# KiCad board Marble_Tiny.kicad_pcb (continued)
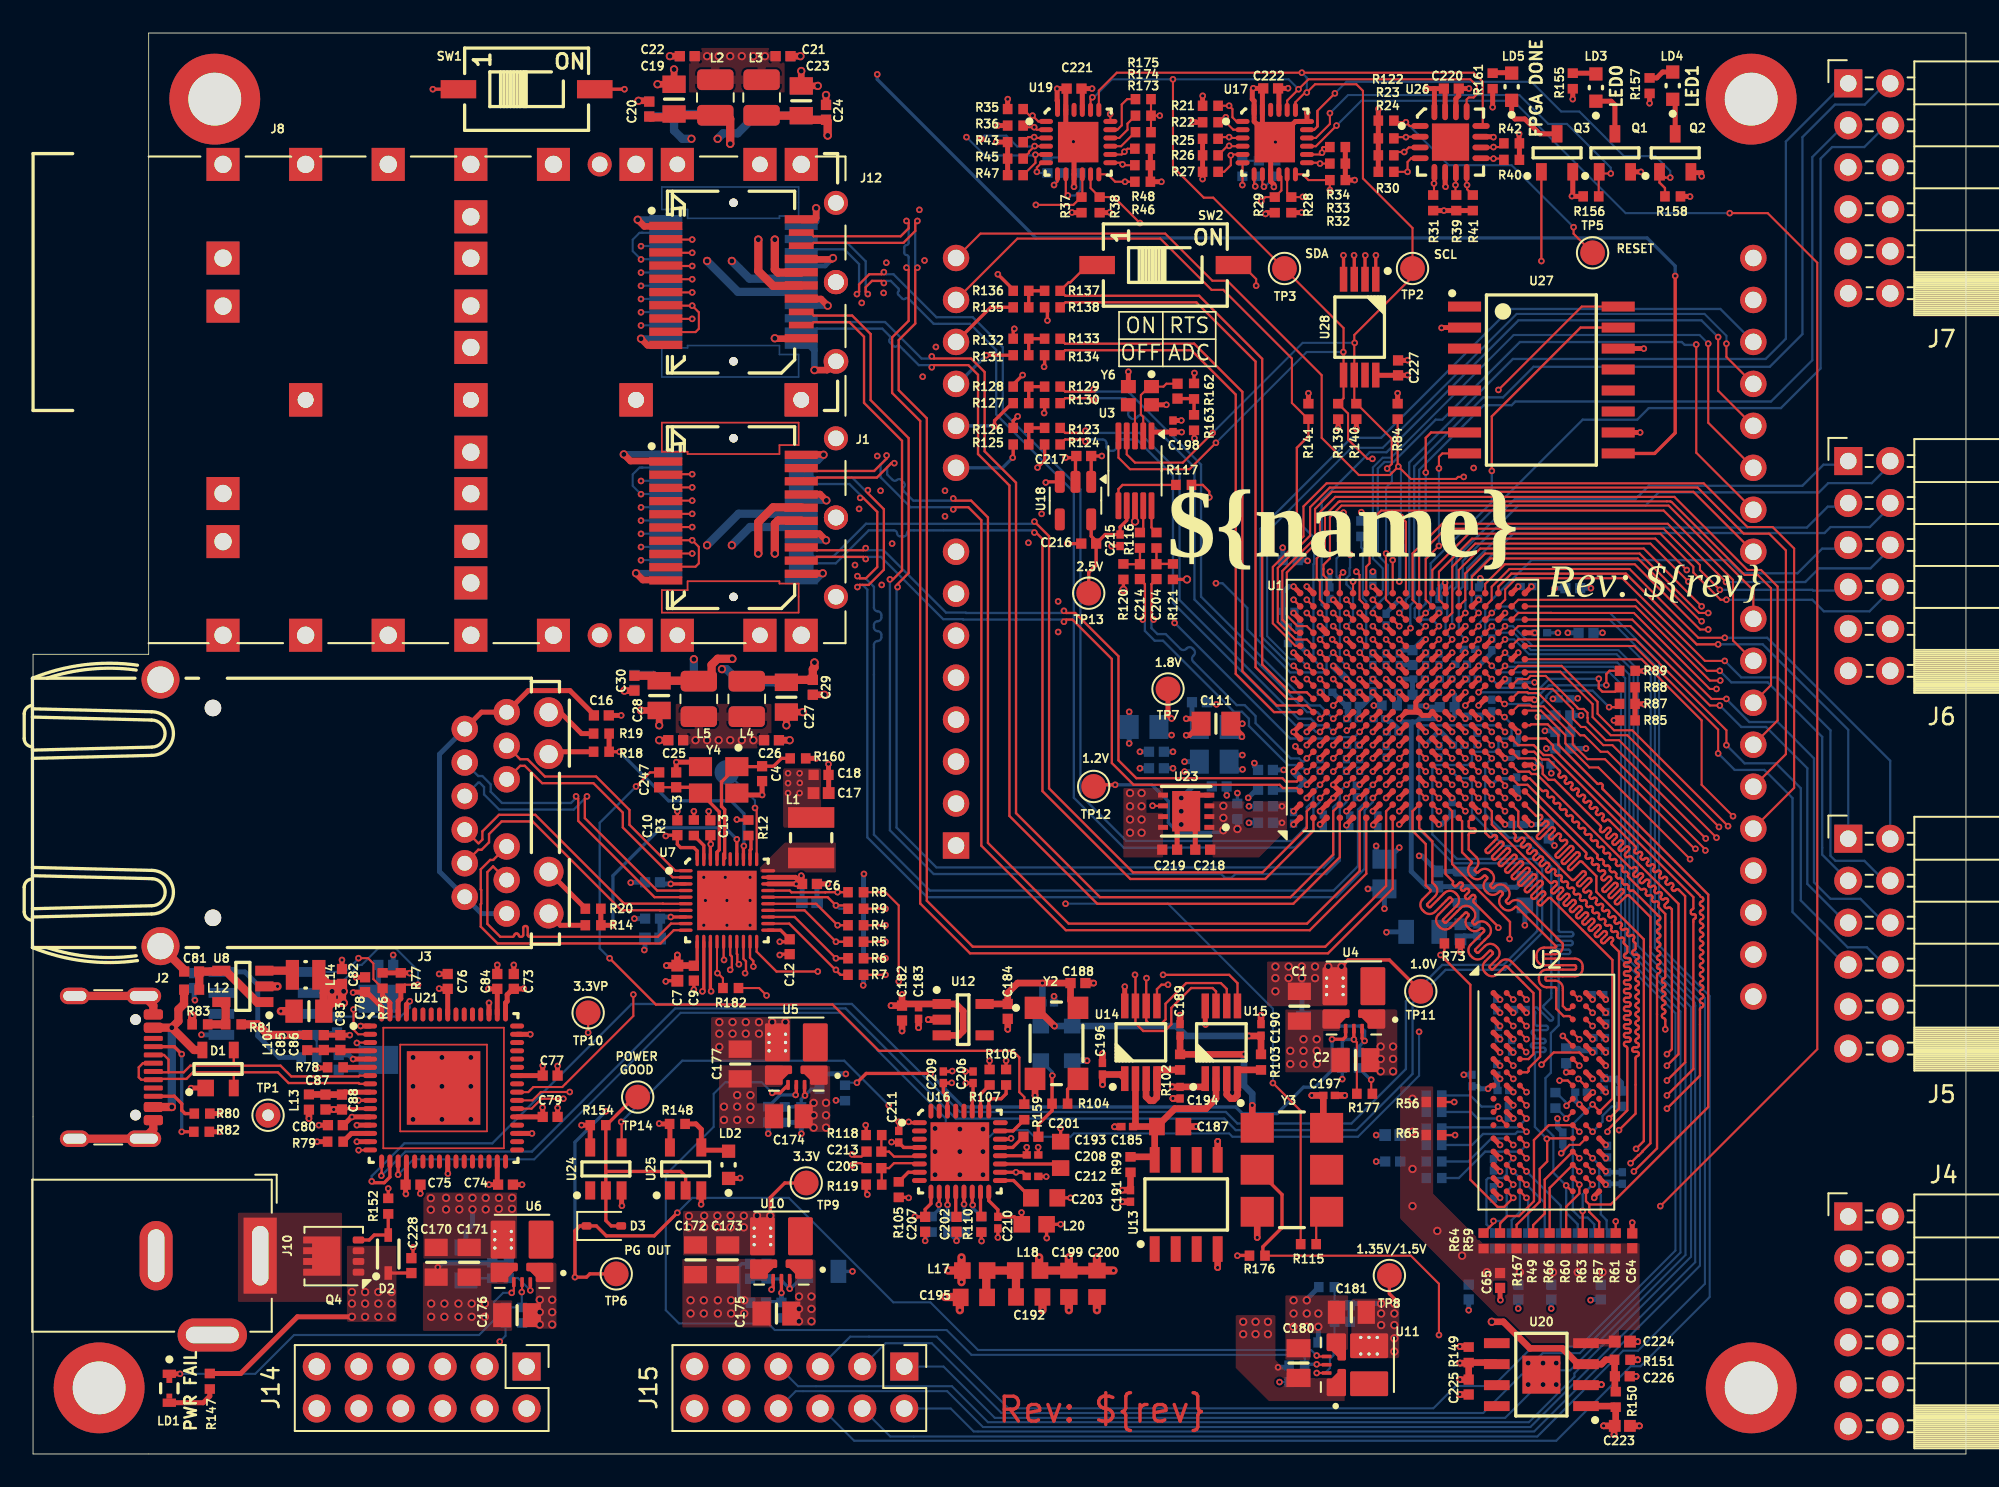
[diagram p0: board, top side]
## Routing (per net, layer and track width the routed paths; a pad name or vN(x,y) marks a point on that pad's centre or on a via; arc(x,y) is an arc through that point) (continued)
DDR3_D11: length 21.1
  Top w0.14: U2.C2 v1(89.6,25.9) ; U1.M4 v1(85.9,40.5)
  In5.Cu w0.13: v1(85.9,40.5) 86.3,40.1 86.3,37.92 arc(86.27,37.85) 86.2,37.82 85.91,37.82 arc(85.84,37.79) 85.81,37.72 85.81,37.66 arc(85.84,37.59) 85.91,37.56 86.69,37.56 arc(86.77,37.53) 86.8,37.46 86.8,37.41 arc(86.77,37.34) 86.69,37.31 85.91,37.31 arc(85.84,37.28) 85.81,37.2 85.81,37.15 arc(85.84,37.08) 85.91,37.05 86.69,37.05 arc(86.77,37.02) 86.8,36.95 86.8,36.89 arc(86.77,36.82) 86.69,36.79 86.4,36.79 arc(86.33,36.76) 86.3,36.69 86.3,34.3 88.1,32.5 88.1,26.84 88.65,26.29 89.21,26.29 v1(89.6,25.9)
DDR3_D12: length 21.1
  Top w0.14: U1.N6 v1(86.7,42.1) ; v1(93.59,27.55) 93.57,27.54 93.56,27.54 U2.A7
  In5.Cu w0.13: v1(93.59,27.55) 93.57,27.54 93.56,27.54 93.11,27.99 arc(93.08,28.07) 93.11,28.14 93.43,28.46 arc(93.46,28.53) 93.43,28.6 93.39,28.64 arc(93.32,28.67) 93.24,28.64 92.46,27.86 arc(92.39,27.83) 92.32,27.86 92.28,27.89 arc(92.25,27.96) 92.28,28.04 92.6,28.36 arc(92.63,28.43) 92.6,28.5 91.5,29.6 91.5,31.7 87.9,35.3 87.9,40.66 87.66,40.9 87.34,40.9 87.1,41.14 87.1,41.7 v1(86.7,42.1)
DDR3_D13: length 21.1
  Top w0.14: U2.A2 v1(89.6,27.5) ; v1(89.37,31.17) 89.4,31.2 89.4,32.2 85.9,35.7 85.9,38.9 U1.M2
  In5.Cu w0.14: v1(89.37,31.17) 89.6,30.95 89.6,30.07 arc(89.63,29.99) 89.71,29.96 89.98,29.96 arc(90.06,29.93) 90.09,29.85 90.09,29.8 arc(90.06,29.73) 89.98,29.69 89.12,29.69 arc(89.04,29.66) 89.01,29.59 89.01,29.53 arc(89.04,29.46) 89.12,29.43 90.03,29.43 arc(90.11,29.4) 90.14,29.32 90.14,29.27 arc(90.11,29.19) 90.03,29.16 89.12,29.16 arc(89.04,29.13) 89.01,29.05 89.01,29 arc(89.04,28.92) 89.12,28.89 90.03,28.89 arc(90.11,28.86) 90.14,28.79 90.14,28.73 arc(90.11,28.66) 90.03,28.63 89.12,28.63 arc(89.04,28.6) 89.01,28.52 89.01,28.47 arc(89.04,28.39) 89.12,28.36 90.03,28.36 arc(90.11,28.33) 90.14,28.25 90.14,28.2 arc(90.11,28.12) 90.03,28.09 89.71,28.09 arc(89.63,28.06) 89.6,27.99 v1(89.6,27.5)
DDR3_D14: length 22.5
  Top w0.14: U2.B8 v1(94.4,26.7) ; U1.P4 v1(87.5,40.5)
  In2.Cu w0.13: v1(94.4,26.7) 93.99,27.11 93.99,27.65 93.98,27.66 93.98,27.72 93.75,27.95 93.7,27.95 87.1,34.55 87.1,35.74 arc(87.13,35.82) 87.2,35.85 87.52,35.85 arc(87.6,35.88) 87.63,35.95 87.63,36 arc(87.6,36.07) 87.52,36.1 87.2,36.1 arc(87.13,36.13) 87.1,36.21 87.1,36.26 arc(87.13,36.33) 87.2,36.36 87.52,36.36 arc(87.6,36.39) 87.63,36.46 87.63,36.52 arc(87.6,36.59) 87.52,36.62 87.2,36.62 arc(87.13,36.65) 87.1,36.72 87.1,36.77 arc(87.13,36.85) 87.2,36.88 87.52,36.88 arc(87.6,36.91) 87.63,36.98 87.63,37.03 arc(87.6,37.1) 87.52,37.13 87.2,37.13 arc(87.13,37.16) 87.1,37.24 87.1,37.29 arc(87.13,37.36) 87.2,37.39 87.52,37.39 arc(87.6,37.42) 87.63,37.49 87.63,37.54 arc(87.6,37.62) 87.52,37.65 87.2,37.65 arc(87.13,37.68) 87.1,37.75 87.1,37.8 arc(87.13,37.87) 87.2,37.9 87.52,37.9 arc(87.6,37.93) 87.63,38.01 87.63,38.06 arc(87.6,38.13) 87.52,38.16 87.2,38.16 arc(87.13,38.19) 87.1,38.26 87.1,40.1 v1(87.5,40.5)
DDR3_D15: length 21.1
  Top w0.14: U1.N4 v1(86.7,40.5) ; U2.A3 v1(90.4,27.5)
  In5.Cu w0.13: v1(86.7,40.5) 87.1,40.1 87.1,34.9 89.91,32.09 89.91,31.74 90.4,31.25 90.4,29.48 arc(90.43,29.4) 90.5,29.37 91.29,29.37 arc(91.37,29.34) 91.4,29.27 91.4,29.22 arc(91.37,29.15) 91.29,29.12 90.5,29.12 arc(90.43,29.09) 90.4,29.01 90.4,28.96 arc(90.43,28.89) 90.5,28.86 91.29,28.86 arc(91.37,28.83) 91.4,28.76 91.4,28.71 arc(91.37,28.63) 91.29,28.6 90.5,28.6 arc(90.43,28.57) 90.4,28.5 90.4,28.45 arc(90.43,28.38) 90.5,28.35 91.29,28.35 arc(91.37,28.32) 91.4,28.24 91.4,28.19 arc(91.37,28.12) 91.29,28.09 90.5,28.09 arc(90.43,28.06) 90.4,27.99 v1(90.4,27.5)
DDR3_DM0: length 27.1
  Top w0.14: U1.L5 v1(85.1,41.3) ; v1(92.6,25.3) U2.E7
  In5.Cu w0.13: v1(85.1,41.3) 84.7,40.9 84.7,34.1 85.09,33.71 arc(85.16,33.68) 85.23,33.71 85.41,33.89 arc(85.49,33.92) 85.56,33.89 85.6,33.85 arc(85.63,33.78) 85.6,33.71 85.27,33.38 arc(85.24,33.31) 85.27,33.24 85.3,33.2 arc(85.38,33.17) 85.45,33.2 85.78,33.53 arc(85.85,33.56) 85.92,33.53 85.96,33.49 arc(85.99,33.42) 85.96,33.35 85.63,33.02 arc(85.6,32.95) 85.63,32.87 85.67,32.84 arc(85.74,32.81) 85.81,32.84 86.14,33.16 arc(86.21,33.19) 86.29,33.16 86.32,33.13 arc(86.35,33.05) 86.32,32.98 86.14,32.8 arc(86.11,32.73) 86.14,32.66 87.1,31.7 87.1,26.24 88.64,24.7 90.2,24.7 90.22,24.71 90.54,24.71 90.56,24.7 91.9,24.7 92.5,25.3 v1(92.6,25.3)
DDR3_DM1: length 21.1
  Top w0.14: U1.M6 v1(85.9,42.1) ; v1(90.4,25.11) 90.39,25.11 U2.D3
  In5.Cu w0.13: v1(85.9,42.1) 85.5,41.7 85.5,34.5 87.6,32.4 87.6,26.54 88.64,25.5 U2.D3 90.39,25.11 v1(90.4,25.11)
DDR3_DQS0_N: length 29.7
  Top w0.14: U1.K1 83.9,37.88 84.7,37.08 84.7,34.58 84.86,34.42 arc(85,34.09) 84.86,33.76 84.4,33.29 arc(84.38,33.24) 84.4,33.19 84.49,33.1 arc(84.54,33.08) 84.58,33.1 85.43,33.95 arc(85.77,34.09) 86.1,33.95 86.19,33.86 arc(86.32,33.53) 86.19,33.19 85.35,32.35 arc(85.32,32.3) 85.35,32.25 85.43,32.16 arc(85.48,32.14) 85.53,32.16 86.41,33.04 arc(86.74,33.18) 87.08,33.04 87.17,32.95 arc(87.3,32.62) 87.17,32.29 87.13,32.25 arc(87.11,32.2) 87.13,32.15 87.22,32.06 arc(87.27,32.04) 87.32,32.06 87.36,32.1 arc(87.69,32.24) 88.02,32.1 88.11,32.01 arc(88.25,31.68) 88.11,31.34 87.3,30.54 arc(87.28,30.49) 87.3,30.44 87.39,30.35 arc(87.44,30.33) 87.49,30.35 87.88,30.74 arc(88.21,30.88) 88.55,30.74 88.64,30.65 arc(88.77,30.32) 88.64,29.98 88.17,29.52 arc(88.15,29.47) 88.17,29.42 88.26,29.33 arc(88.31,29.31) 88.36,29.33 88.82,29.79 arc(89.16,29.93) 89.49,29.79 91.22,28.06 91.22,24.04 90.53,23.35 90.53,23.18 90.45,23.1 U2.G3
DDR3_DQS0_P: length 29.7
  Top w0.14: U1.K2 83.5,38.9 83.5,37.72 84.3,36.92 84.3,34.42 84.58,34.14 arc(84.6,34.09) 84.58,34.04 84.11,33.57 arc(83.98,33.24) 84.11,32.91 84.2,32.82 arc(84.54,32.68) 84.87,32.82 85.72,33.67 arc(85.77,33.69) 85.81,33.67 85.9,33.58 arc(85.92,33.53) 85.9,33.48 85.06,32.64 arc(84.92,32.3) 85.06,31.97 85.15,31.88 arc(85.48,31.74) 85.82,31.88 86.69,32.76 arc(86.74,32.78) 86.79,32.76 86.88,32.67 arc(86.9,32.62) 86.88,32.57 86.85,32.53 arc(86.71,32.2) 86.85,31.87 86.94,31.78 arc(87.27,31.64) 87.6,31.78 87.64,31.82 arc(87.69,31.84) 87.74,31.82 87.83,31.73 arc(87.85,31.68) 87.83,31.63 87.02,30.82 arc(86.88,30.49) 87.02,30.15 87.11,30.07 arc(87.44,29.93) 87.77,30.07 88.16,30.45 arc(88.21,30.48) 88.26,30.45 88.35,30.36 arc(88.37,30.32) 88.35,30.27 87.89,29.81 arc(87.75,29.47) 87.89,29.14 87.98,29.05 arc(88.31,28.91) 88.65,29.05 89.11,29.51 arc(89.16,29.53) 89.21,29.51 90.82,27.9 90.82,24.2 90.52,23.9 U2.F3
DDR3_DQS1_N: length 23.7
  Top w0.14: U1.P1 86.9,38.3 86.9,37.97 arc(86.93,37.9) 87.01,37.86 87.22,37.86 arc(87.29,37.83) 87.32,37.76 87.32,37.7 arc(87.29,37.63) 87.22,37.6 87.01,37.6 arc(86.93,37.57) 86.9,37.49 86.9,36.58 87.35,36.13 arc(87.49,35.8) 87.35,35.46 87.28,35.39 arc(87.26,35.34) 87.28,35.29 87.37,35.2 arc(87.42,35.18) 87.47,35.2 87.54,35.28 arc(87.87,35.41) 88.21,35.28 88.3,35.19 arc(88.43,34.85) 88.3,34.52 88.22,34.45 arc(88.2,34.4) 88.22,34.35 88.31,34.26 arc(88.36,34.24) 88.41,34.26 88.49,34.33 arc(88.82,34.47) 89.15,34.33 89.24,34.24 arc(89.38,33.91) 89.24,33.58 89.16,33.5 arc(89.14,33.45) 89.16,33.4 89.25,33.31 arc(89.3,33.29) 89.35,33.31 89.43,33.39 arc(89.76,33.53) 90.09,33.39 92.6,30.88 92.6,30.72 arc(92.46,30.38) 92.13,30.25 91.47,30.25 arc(91.42,30.23) 91.4,30.18 91.4,30.05 arc(91.42,30) 91.47,29.98 93.33,29.98 arc(93.66,29.84) 93.8,29.51 93.8,29.38 arc(93.66,29.05) 93.33,28.91 91.62,28.91 arc(91.57,28.89) 91.55,28.84 91.55,28.72 arc(91.57,28.67) 91.62,28.65 92.13,28.65 arc(92.46,28.51) 92.6,28.18 92.6,27.11 92.81,26.9 93,26.9 U2.B7
DDR3_DQS1_P: length 23.7
  Top w0.14: U2.C7 93,26.5 92.65,26.5 92.2,26.95 92.2,28.18 arc(92.18,28.23) 92.13,28.25 91.62,28.25 arc(91.29,28.38) 91.15,28.72 91.15,28.84 arc(91.29,29.18) 91.62,29.31 93.33,29.31 arc(93.38,29.33) 93.4,29.38 93.4,29.51 arc(93.38,29.56) 93.33,29.58 91.47,29.58 arc(91.14,29.72) 91,30.05 91,30.18 arc(91.14,30.51) 91.47,30.65 92.13,30.65 arc(92.18,30.67) 92.2,30.72 89.81,33.11 arc(89.76,33.13) 89.71,33.11 89.64,33.03 arc(89.3,32.89) 88.97,33.03 88.88,33.12 arc(88.74,33.45) 88.88,33.78 88.96,33.86 arc(88.98,33.91) 88.96,33.96 88.87,34.05 arc(88.82,34.07) 88.77,34.05 88.69,33.97 arc(88.36,33.84) 88.03,33.97 87.94,34.06 arc(87.8,34.4) 87.94,34.73 88.01,34.8 arc(88.03,34.85) 88.01,34.9 87.92,34.99 arc(87.87,35.01) 87.82,34.99 87.75,34.92 arc(87.42,34.78) 87.08,34.92 86.99,35.01 arc(86.86,35.34) 86.99,35.67 87.07,35.75 arc(87.09,35.8) 87.07,35.85 86.5,36.42 86.5,38.3 U1.N1
DDR3_ODT: length 42.8
  Top w0.14: U1.P3 v1(87.5,39.7) ; U2.K1 88.67,20.97 v1(88.67,21.02)
  In2.Cu w0.13: v1(87.5,39.7) 88,39.2 88,34.86 91.14,31.72 arc(91.21,31.69) 91.28,31.72 91.35,31.79 arc(91.42,31.82) 91.49,31.79 91.53,31.75 arc(91.56,31.68) 91.53,31.61 91.04,31.12 arc(91.01,31.05) 91.04,30.98 91.08,30.94 arc(91.15,30.91) 91.22,30.94 91.71,31.43 arc(91.78,31.46) 91.86,31.43 91.89,31.39 arc(91.92,31.32) 91.89,31.24 91.41,30.76 arc(91.38,30.68) 91.41,30.61 91.44,30.58 arc(91.51,30.55) 91.59,30.58 92.07,31.06 arc(92.15,31.09) 92.22,31.06 92.26,31.03 arc(92.29,30.95) 92.26,30.88 91.77,30.39 arc(91.74,30.32) 91.77,30.25 91.81,30.21 arc(91.88,30.18) 91.95,30.21 92.44,30.7 arc(92.51,30.73) 92.58,30.7 92.62,30.66 arc(92.65,30.59) 92.62,30.52 92.13,30.03 arc(92.1,29.96) 92.13,29.88 92.17,29.85 arc(92.24,29.82) 92.31,29.85 92.8,30.33 arc(92.87,30.36) 92.95,30.33 92.98,30.3 arc(93.01,30.23) 92.98,30.15 92.5,29.67 arc(92.47,29.59) 92.5,29.52 92.53,29.49 arc(92.61,29.46) 92.68,29.49 93.16,29.97 arc(93.24,30) 93.31,29.97 93.35,29.94 arc(93.38,29.86) 93.35,29.79 92.86,29.3 arc(92.83,29.23) 92.86,29.16 92.9,29.12 arc(92.97,29.09) 93.04,29.12 93.53,29.61 arc(93.6,29.64) 93.67,29.61 93.71,29.57 arc(93.74,29.5) 93.71,29.43 93.22,28.94 arc(93.19,28.87) 93.22,28.79 93.26,28.76 arc(93.33,28.73) 93.4,28.76 93.89,29.24 arc(93.96,29.27) 94.04,29.24 94.07,29.21 arc(94.1,29.14) 94.07,29.06 94.01,29 arc(93.98,28.93) 94.01,28.85 94.8,28.06 94.8,23.8 94,23 94,22.54 93.67,22.2 91.6,22.2 90.9,21.5 89.15,21.5 v1(88.67,21.02)
  Bottom w0.14: R71.1 87,21.7 87.68,21.02 v1(88.67,21.02)
DDR3_RAS: length 45.7
  Top w0.14: R56.1 v1(86.03,21.3) ; U2.J3 v1(90.4,21.1) ; U1.R3 v1(88.3,39.7)
  In2.Cu w0.13: v1(90.4,21.1) 91.2,21.1 91.88,21.78 93.76,21.78 94.27,22.29 95.35,22.29 95.6,22.54 95.6,28.1 91.42,32.28 arc(91.39,32.35) 91.42,32.43 91.93,32.93 arc(91.96,33) 91.93,33.08 91.89,33.11 arc(91.82,33.14) 91.74,33.11 91.08,32.45 arc(91.01,32.42) 90.94,32.45 90.9,32.49 arc(90.87,32.56) 90.9,32.63 91.56,33.29 arc(91.59,33.37) 91.56,33.44 91.53,33.48 arc(91.45,33.51) 91.38,33.48 90.72,32.82 arc(90.65,32.79) 90.57,32.82 90.54,32.85 arc(90.51,32.92) 90.54,33 91.2,33.66 arc(91.23,33.73) 91.2,33.8 91.16,33.84 arc(91.09,33.87) 91.02,33.84 90.36,33.18 arc(90.28,33.15) 90.21,33.18 90.17,33.21 arc(90.14,33.29) 90.17,33.36 90.83,34.02 arc(90.86,34.09) 90.83,34.17 90.8,34.2 arc(90.73,34.23) 90.65,34.2 89.99,33.54 arc(89.92,33.51) 89.85,33.54 89.81,33.58 arc(89.78,33.65) 89.81,33.72 90.47,34.38 arc(90.5,34.46) 90.47,34.53 90.43,34.57 arc(90.36,34.6) 90.29,34.57 89.63,33.91 arc(89.56,33.88) 89.48,33.91 89.45,33.94 arc(89.42,34.01) 89.45,34.09 90.11,34.75 arc(90.14,34.82) 90.11,34.89 90.07,34.93 arc(90,34.96) 89.93,34.93 89.42,34.42 arc(89.35,34.39) 89.28,34.42 88.6,35.1 88.6,39.4 v1(88.3,39.7)
  In2.Cu w0.14: v1(90.4,21.1) 90,20.7 89.44,20.7 89.2,20.46 89.2,20.14 88.94,19.87 87.45,19.87 v1(86.03,21.3)
DDR3_RST: length 32.7
  Top w0.14: U1.J6 v1(82.7,42.1) ; R73.2 85.43,30.43 v1(85.2,30.2) 87,28.4 87,16.6 88.65,14.95 89.05,14.95 v1(89.6,15.5) U2.T2
  In2.Cu w0.13: v1(85.2,30.2) 83.79,31.61 83.79,35.75 83.51,36.04 83.51,36.36 83.52,36.37 83.52,41.28 v1(82.7,42.1)
DDR3_WE: length 44
  Top w0.14: v1(89.1,40.44) 89.1,40.5 U1.T4 ; U2.L3 v1(90.4,19.5)
  In5.Cu w0.13: v1(90.4,19.5) 90.9,19.5 92.43,21.03 92.43,21.24 92.66,21.47 92.87,21.47 93.94,22.54 93.94,22.8 94.8,23.66 94.8,24.45 94.8,24.46 94.8,24.46 95.04,24.7 95.36,24.7 96.2,25.54 96.2,31.1 95.65,31.65 arc(95.57,31.68) 95.5,31.65 95.44,31.6 arc(95.37,31.57) 95.3,31.6 95.26,31.63 arc(95.23,31.71) 95.26,31.78 95.63,32.15 arc(95.66,32.22) 95.63,32.29 95.59,32.33 arc(95.52,32.36) 95.45,32.33 95.08,31.96 arc(95.01,31.93) 94.93,31.96 94.9,32 arc(94.87,32.07) 94.9,32.14 95.26,32.51 arc(95.29,32.58) 95.26,32.65 95.23,32.69 arc(95.16,32.72) 95.08,32.69 94.72,32.32 arc(94.64,32.29) 94.57,32.32 94.53,32.36 arc(94.5,32.43) 94.53,32.51 94.9,32.87 arc(94.93,32.94) 94.9,33.02 94.86,33.05 arc(94.79,33.08) 94.72,33.05 94.35,32.69 arc(94.28,32.66) 94.21,32.69 94.17,32.72 arc(94.14,32.8) 94.17,32.87 94.54,33.24 arc(94.57,33.31) 94.54,33.38 94.5,33.42 arc(94.43,33.45) 94.36,33.42 93.99,33.05 arc(93.92,33.02) 93.84,33.05 93.81,33.09 arc(93.78,33.16) 93.81,33.23 94.17,33.6 arc(94.2,33.67) 94.17,33.74 94.14,33.78 arc(94.07,33.81) 93.99,33.78 93.63,33.41 arc(93.55,33.38) 93.48,33.41 93.44,33.45 arc(93.41,33.52) 93.44,33.6 93.81,33.96 arc(93.84,34.04) 93.81,34.11 93.77,34.14 arc(93.7,34.17) 93.63,34.14 93.26,33.78 arc(93.19,33.75) 93.12,33.78 93.08,33.81 arc(93.05,33.89) 93.08,33.96 93.45,34.33 arc(93.48,34.4) 93.45,34.47 93.41,34.51 arc(93.34,34.54) 93.27,34.51 92.9,34.14 arc(92.83,34.11) 92.75,34.14 92.72,34.18 arc(92.69,34.25) 92.72,34.32 93.08,34.69 arc(93.11,34.76) 93.08,34.83 93.05,34.87 arc(92.97,34.9) 92.9,34.87 92.74,34.71 arc(92.67,34.68) 92.59,34.71 91.1,36.2 91.1,39.06 89.66,40.5 89.16,40.5 v1(89.1,40.44)
  Bottom w0.14: v1(90.4,19.5) 89.85,19.5 89.72,19.37 87.77,19.37 87.1,18.7 R70.1
DDRVCC: length 28.1
  Top w0.2: v2(82.4,9.1) 82.4,9.4 82.1,9.7 TP8.1
  Top w0.3: U2.R9 v1(95.2,16.3) ; U2.C1 v1(88.8,25.9) ; U1.R4 v1(88.3,40.5) ; U2.D9 v1(95.2,25.1) ; U2.H2 v1(89.6,21.9) ; U2.F1 v1(88.8,23.5) ; U2.C9 v1(95.2,25.9) ; U1.L6 v1(85.1,42.1) ; U2.N1 v1(88.8,17.9) ; U2.K2 v1(89.6,20.3) ; U1.P7 v1(87.5,42.9) ; U2.A8 v1(94.4,27.5) ; U2.B2 v1(89.6,26.7) ; U2.H9 v1(95.2,21.9) ; U2.N9 v1(95.2,17.9) ; U2.D2 v1(89.6,25.1) ; U1.V5 90.72,41.7 v1(90.87,41.55) ; U2.E9 v1(95.2,24.3) ; U1.T1 v1(89.1,38.1) ; U2.G7 v1(92.8,23.1) ; 94.01,20.74 93.59,21.15 ; U2.A1 v1(88.8,27.5) ; U1.M3 v1(85.9,39.7) ; U2.R1 v1(88.8,16.3)
  Top w0.4: U20.1 95.73,2.89 R150.2 95.8,1.76 C223.2 ; 95.5,1.7 95.07,1.7 v1(95.07,1.7) ; v1(95.7,1.17) 95.7,1.17 95.7,1.6
  Bottom w0.2: C149.2 89.72,40.87 88.67,40.87 v1(88.3,40.5)
  Bottom w0.3: v1(89.1,38.1) C144.2 ; v1(92.8,23.1) C61.2 ; v1(92.09,36.83) 91.75,37.17 C141.2 ; v1(93.6,21.15) 93.59,21.15 93.35,21.4 C243.2 ; R100.2 R101.2 79.82,9.1 v2(81.6,9.1) ; C142.2 v1(94,42.7) ; 95.2,16.35 96.1,16.35
  vias: v2(81.6,8.5) v2(81.6,7.8) v2(82.4,8.5) v2(82.4,7.8) v2(82.4,7) v2(82.4,6.2)
DDRVREF: length 14.5
  Top w0.127: U2.M8 93.61,18.71 93.01,18.71 v1(92.5,18.2)
  Top w0.3: U2.H1 88.27,22.3 v1(88.07,22.1)
  Top w0.4: R150.1 95.75,3.82 C226.2 95.73,4.72 R151.2 95.2,5.7 94.94,5.43 93.53,5.43 92.57,6.39 90.61,6.39 89,8 v2(88.3,8)
  Bottom w0.3: v1(88.07,22.1) 87.6,22.1 87.45,22.25 C250.2 ; C249.2 92.6,18.3 v1(92.5,18.2)
DDRVTT: length 1.8
  Top w0.3: C224.2 94.09,6.8 U20.4
  vias: v2(83.5,21.5) v2(83.5,19.5) v2(83.5,17.25) v2(83.5,15) v2(85,13.5) v2(86.5,12) v2(88,11) v2(90,11) v2(92,11) v2(93.5,11) v2(95,11)
I2C_SCL: length 87.8
  Top w0.127: TP2.1 83.5,74.2 80.5,77.2 80.5,82.5 80.1,82.9 77.6,82.9 v1(77.1,82.4) 77,82.4 76.41,81.81 U17.19 ; U26.12 87.75,80.47 87.75,83.05 87.2,83.6 v1(76.8,83.6) 65.6,83.6 64.51,82.51 U19.19 ; v1(81.96,59.64) 82.25,59.92 82.25,61.44 80.12,63.57 R140.1 79.97,63.69 U28.6 79.97,67.72 83.7,71.45 83.7,71.7 ; U1.H17 81.89,51.71 81.89,54.49 v1(81.9,54.5) ; U3.4 66.2,60.5 66.7,60 69.6,60 v1(71.4,61.8)
  Bottom w0.127: v1(76.8,83.6) 77.1,83.3 v1(77.1,82.4) ; v1(71.4,61.8) 76.85,67.25 v1(80,67.25) ; v1(81.9,54.5) 81.9,58.5 82.25,58.85 82.25,59.35 81.96,59.64 v1(81.96,59.64)
I2C_SCL_Ardu: length 89.6
  Top w0.127: v1(82.64,59.76) 82.13,59.25 80.25,59.25 78,61.5 78,65.29 72.29,71.01 71.39,71.01 68.53,73.86 57.35,73.86 A1.14 ; v1(82.64,59.76) 82.6,59.81 R84.2 ; v1(82.64,59.76) 83.4,59.01 86.13,59.01 86.26,59.14 v1(86.6,59.14) ; v1(82.8,56.71) 83.1,56.41 U1.J18
  In5.Cu w0.127: v1(86.6,59.14) 86.6,55 89.22,52.37 89.22,51.8 89.9,51.12 89.9,49.95 92.5,47.35 92.5,39.31 A1.32
  Bottom w0.127: v1(82.8,56.71) 82.8,56.71 82.8,59.61 v1(82.64,59.76)
I2C_SDA: length 89.1
  Top w0.127: U26.13 86.78,81.97 86.9,82.1 87.2,82.1 87.4,82.3 87.4,82.8 87,83.2 77.2,83.2 75.91,81.91 U17.20 ; U3.5 65.7,60.3 66.4,59.6 70,59.6 v1(71.6,61.2) ; U19.20 64.01,82 v1(64.12,82.11) ; v1(69,83.2) 69,77.9 70.86,76.04 71.44,76.04 79.33,68.15 U28.5 79.33,63.89 R139.1 79.6,62.97 79.6,61.4 80.77,60.23 v1(81.07,60.23)
  Top w0.14: U1.F14 v1(80.3,49.3)
  In2.Cu w0.14: v1(80.3,49.3) 80.7,49.7 80.7,51.9 80.9,52.1 81.26,52.1 82.8,53.64 82.8,54.6 81.3,56.1 81.3,60 v1(81.07,60.23)
  Bottom w0.127: v1(64.12,82.11) 64.21,82.11 65.3,83.2 76,83.2 v1(76.6,82.6) ; v1(71.6,61.2) 77.1,66.7 v1(79.31,66.7)
I2C_SDA_Ardu: length 94.7
  Top w0.127: A1.13 59.58,73.56 68.24,73.56 71.34,70.46 72.04,70.46 76.2,66.3 76.2,63.61 77.18,62.63 R141.1 77.2,61.6
  Top w0.14: v1(76.5,56.5) 76.5,60.9 77.2,61.6 ; U1.C12 v1(77.9,47.7)
  In2.Cu w0.127: v1(76.5,56.5) 80.62,60.62 85,60.62 85.95,59.67 v1(87.2,59.67)
  In5.Cu w0.127: v1(87.2,59.67) 87.2,55.82 90.33,52.7 90.31,52.68 90.31,51.12 91.55,49.87 91.57,49.87 93.03,48.42 93.03,41.33 A1.31
  Bottom w0.14: v1(77.9,47.7) 77.5,48.1 77.5,53.85 77.55,53.89 77.55,55.45 v1(76.5,56.5)
JTAG_TCK: length 78.6
  Top w0.14: U1.F8 v1(80.3,43.7) ; U21.16 20.38,18.38 v1(19.71,18.38)
  In2.Cu w0.14: v1(69.1,50.3) 57.17,38.37 54.37,38.37 43.5,27.5 39.7,27.5 32.75,20.55 30.25,20.55 29.8,21 22.2,21 20.4,19.2 20.4,19.08 v1(19.71,18.38)
  Bottom w0.14: v1(80.3,43.7) 79.99,43.39 78.95,43.39 78.86,43.3 76.1,43.3 v1(69.1,50.3)
JTAG_TDI: length 109
  Top w0.14: v1(89.07,44.6) 89,44.6 U1.T9 ; v1(21.08,16.84) 21.08,17.01 21.1,17.03 U21.17
  Bottom w0.14: v1(89.07,44.6) 89.5,44.17 89.5,43.54 89.26,43.3 88.94,43.3 88.7,43.06 88.7,42.74 88.46,42.5 87.34,42.5 87.1,42.26 87.1,41.94 86.86,41.7 84.94,41.7 84.7,41.46 84.7,37.5 86.18,36.02 90.76,36.02 91.35,35.43 91.35,31.55 89.1,29.3 85.5,29.3 83.5,27.3 83.5,23 80.1,19.6 72.8,19.6 72.1,20.3 55.85,20.3 49.18,26.97 38.87,26.97 30.2,18.3 22.54,18.3 v1(21.08,16.84)
JTAG_TDO: length 111.8
  Top w0.14: U1.T8 v1(89.1,43.7)
  Top w0.2: U21.18 21.6,16.76 21.26,16.42 20.58,16.42 v1(20.5,16.5)
  Bottom w0.14: 87.85,44.1 87.7,44.1 ; v1(20.5,16.5) 20.5,16.82 22.48,18.8 27.8,18.8 36.23,27.23 49.57,27.23 56.1,20.7 72.2,20.7 72.9,20 79.8,20 83.1,23.3 83.1,27.4 85.3,29.6 89,29.6 91.05,31.65 91.05,35.35 90.65,35.75 85.95,35.75 83.9,37.8 83.9,43.15 83.85,43.2 83.85,43.81 84.14,44.1 87.7,44.1 ; 87.7,44.1 88.7,44.1 v1(89.1,43.7)
JTAG_TMS: length 101.5
  Top w0.14: U1.R8 v1(88.3,43.7)
  Top w0.2: U21.19 22.1,16.91 v1(22.1,16.9)
  In2.Cu w0.14: v1(83.9,25.55) 81.35,28.1 81.35,33.45 81.85,33.95 81.85,35.7 81.8,35.75 81.8,39.1 81.5,39.4 81.5,40.66 81.74,40.9 82.06,40.9 82.3,41.14 82.3,43.15 82.45,43.3 82.86,43.3 83.66,44.1 87.9,44.1 v1(88.3,43.7)
  Bottom w0.127: v1(22.1,16.9) 23.03,17.83 30.33,17.83 39.2,26.7 48.85,26.7 55.25,20.3 55.25,19.7 55.79,19.16 57.86,19.16 58.3,19.6 60.2,19.6 60.6,19.2 62.8,19.2 63,19.4 72.4,19.4 72.6,19.2 80.2,19.2 83.9,22.9 v1(83.9,25.55)
LED0: length 24.3
  Top w0.127: v1(78.5,81.15) 78.53,81.12 78.47,81.12 78.5,81.09 78.5,80.5 77.65,79.65 U17.16 ; R156.2 94.77,77.57 Q1.1 94.9,77.5 v1(95.5,77.5)
  Bottom w0.127: v1(95.5,77.5) 95.5,77.85 92.85,80.5 91.72,80.5 89.97,82.25 79.6,82.25 v1(78.5,81.15)
LED1: length 30.6
  Top w0.127: 77.75,80.34 77.75,81.29 v1(78.8,82.35) ; 77.75,80.34 77.75,80.54 ; 77.75,80.34 77.75,81.24 ; 77.75,80.34 77.55,80.15 ; 77.75,80.34 77.75,80.74 ; Q2.1 98.8,77.25 v1(99.1,77.25) ; 77.55,80.15 77.7,80.3 ; 77.55,80.15 U17.17
  Top w0.14: 98.7,76.03 R158.2 98.78,76.62 98.45,76.95 98.45,77.55
  Bottom w0.127: v1(78.8,82.35) 79.5,83.05 90.7,83.05 92.5,81.25 93.6,81.25 96.3,78.55 98.2,78.55 99.1,77.65 v1(99.1,77.25)
MDC_PHY: length 59.3
  Top w0.14: U1.H14 v1(81.9,49.3)
  Top w0.2: v1(41.04,28) 41,28.05 U7.13
  In2.Cu w0.14: v1(81.9,49.3) 81.5,48.9 75.6,48.9 74,50.5 74,52.3 73.2,53.1 71,53.1 58.6,40.7 53.6,40.7 44.55,31.65 44.55,29.05 43.5,28 41.05,28 v1(41.04,28)
MDIO_PHY: length 53.6
  Top w0.125: U7.14 41.4,29.13
  Top w0.127: U1.E18 v1(79.9,52.8) ; v1(41.43,29.1) 41.45,29.1 41.76,28.79 R182.1
  Top w0.2: 41.4,29.13 v1(41.43,29.1)
  In2.Cu w0.127: v1(79.9,52.8) 78.4,52.8 77.8,53.4 73.9,53.4 73.6,53.7 69.1,53.7 58.6,43.2 54,43.2 42.7,31.9 42.7,31.4 41.43,30.13 v1(41.43,29.1)
MGT_RX0_N: length 68.9
  Top w0.14: v1(51.87,52.93) 52.05,52.93 52.6,53.48 52.6,61.32 50.3,63.62 50.3,67.62 49.42,68.5 47.25,68.5 47.05,68.3 46.5,68.3 ; U1.E3 v1(79.5,39.7)
  Bottom w0.14: v1(79.5,39.7) 79.5,39.46 79.1,39.06 79.1,35.92 78.28,35.1 72.78,35.1 72.55,34.87 72.16,34.87 71.92,35.1 54.52,35.1 51.87,37.75 v1(51.87,52.93)
MGT_RX0_P: length 68.9
  Top w0.14: 46.5,69.1 47.05,69.1 47.25,68.9 49.58,68.9 50.7,67.78 50.7,63.78 53,61.48 53,53.32 52.33,52.65 v1(52.33,52.47) ; U1.E4 v1(79.5,40.5)
  Bottom w0.14: v1(52.33,52.47) 52.27,52.4 52.27,37.92 54.68,35.5 78.12,35.5 78.7,36.08 78.7,39.14 79.1,39.54 79.1,40.1 v1(79.5,40.5)
MGT_RX1_N: length 40.1
  Top w0.14: v1(50.4,54.16) 50.27,54.29 47.45,54.29 47.25,54.09 46.5,54.09 ; v1(62.4,50.37) 62.53,50.5 62.92,50.5 65.3,48.12 65.3,41.82 66.62,40.5 75.46,40.5 75.66,40.3 76.5,40.3 U1.A3
  Bottom w0.14: v1(62.4,50.37) 62.27,50.5 56.31,50.5 56.28,50.52 55.09,50.52 51.32,54.29 50.53,54.29 v1(50.4,54.16)
MGT_RX1_P: length 40.1
  Top w0.14: v1(50.4,54.82) 50.27,54.69 47.45,54.69 47.25,54.89 46.5,54.89 ; v1(62.4,51.03) 62.53,50.9 63.08,50.9 65.7,48.28 65.7,41.98 66.78,40.9 75.62,40.9 75.82,40.7 76.5,40.7 U1.A4
  Bottom w0.14: v1(62.4,51.03) 62.27,50.9 56.47,50.9 56.45,50.92 55.26,50.92 51.49,54.69 50.53,54.69 v1(50.4,54.82)
MGT_RX2_N: length 65
  Top w0.14: v1(50.53,70.2) 50.4,70.33 50.4,70.62 50.78,71 51.37,71 v1(51.5,70.87) ; U1.C3 v1(77.9,39.7)
  Bottom w0.14: v1(50.53,70.2) 50.4,70.33 50.4,72.18 49.27,73.31 47.45,73.31 47.25,73.51 46.5,73.51 ; v1(51.5,70.87) 51.63,71 51.92,71 52.38,70.54 arc(52.42,70.45) 52.38,70.35 arc(52.34,70.26) 52.38,70.17 52.61,69.93 arc(52.71,69.89) 52.8,69.93 arc(52.89,69.97) 52.99,69.93 54.52,68.4 56.72,68.4 58.3,66.82 58.3,62.92 63,58.22 63,39.72 66.02,36.7 76.38,36.7 77.5,37.82 77.5,39.06 77.9,39.46 v1(77.9,39.7)
MGT_RX2_P: length 65
  Top w0.14: v1(49.87,70.2) 50,70.33 50,70.78 50.62,71.4 51.37,71.4 v1(51.5,71.53) ; U1.C4 v1(77.9,40.5)
  Bottom w0.14: v1(51.5,71.53) 51.63,71.4 52.08,71.4 54.68,68.8 56.88,68.8 58.7,66.98 58.7,63.08 63.4,58.38 63.4,39.88 66.18,37.1 76.22,37.1 77.1,37.98 77.1,39.14 77.5,39.54 77.5,40.1 v1(77.9,40.5) ; v1(49.87,70.2) 50,70.33 50,72.02 49.11,72.91 47.45,72.91 47.25,72.71 46.5,72.71
MGT_RX3_N: length 64.8
  Top w0.14: U1.G3 v1(81.1,39.7) ; v1(49.9,52.47) 50.03,52.6 50.58,52.6 51.5,53.52 51.5,57.18 50.53,58.15 v1(50.53,58.33)
  Bottom w0.14: v1(49.9,52.47) 50.03,52.6 50.22,52.6 50.5,52.32 50.5,37.32 54.12,33.7 78.88,33.7 80.6,35.42 80.6,38.96 81.1,39.46 v1(81.1,39.7) ; v1(50.53,58.33) 50.35,58.33 49.58,59.1 47.25,59.1 47.05,59.3 46.5,59.3
MGT_RX3_P: length 64.8
  Top w0.14: v1(49.9,53.13) 50.03,53 50.42,53 51.1,53.68 51.1,57.02 50.25,57.87 v1(50.07,57.87) ; U1.G4 v1(81.1,40.5)
  Bottom w0.14: v1(81.1,40.5) 80.7,40.1 80.7,39.5 80.2,39 80.2,35.58 78.72,34.1 54.28,34.1 50.9,37.48 50.9,48.98 arc(50.97,49.14) 51.12,49.2 arc(51.28,49.27) 51.35,49.43 51.35,49.58 arc(51.28,49.74) 51.12,49.8 arc(50.97,49.87) 50.9,50.03 50.9,50.18 arc(50.97,50.34) 51.12,50.4 arc(51.28,50.47) 51.35,50.63 51.35,50.78 arc(51.28,50.94) 51.12,51 arc(50.97,51.07) 50.9,51.23 50.9,52.48 50.38,53 50.03,53 v1(49.9,53.13) ; v1(50.07,57.87) 50.07,58.05 49.41,58.7 47.25,58.7 47.05,58.5 46.5,58.5
MGT_TX0_N: length 85.9
  Top w0.14: v1(52.87,74.63) 53,74.5 53,74.18 52.52,73.7 47.25,73.7 47.05,73.9 46.5,73.9 ; v1(52.87,71.8) 53,71.67 53,68.58 52,67.58 52,64.22 53.7,62.52 53.7,33.32 56.72,30.3 78.38,30.3 82.3,34.22 U1.H1
  Bottom w0.14: v1(52.87,71.8) 53,71.93 53,72.43 arc(52.96,72.53) 52.87,72.57 arc(52.77,72.6) 52.73,72.7 52.73,73.03 arc(52.77,73.13) 52.87,73.17 arc(52.96,73.2) 53,73.3 53,74.5 v1(52.87,74.63)
MGT_TX0_P: length 85.9
  Top w0.14: 46.5,73.1 47.05,73.1 47.25,73.3 52.68,73.3 53.4,74.02 53.4,74.5 v1(53.53,74.63) ; U1.H2 81.9,38.9 81.9,34.38 78.22,30.7 56.88,30.7 54.1,33.48 54.1,62.68 52.4,64.38 52.4,67.42 53.4,68.42 53.4,71.67 v1(53.53,71.8)
  Bottom w0.14: v1(53.53,74.63) 53.4,74.5 53.4,71.93 v1(53.53,71.8)
MGT_TX1_N: length 64.4
  Top w0.14: U1.F1 80.7,35.12 77.28,31.7 62.52,31.7 57.4,36.82 57.4,56.52 56.62,57.3 55.83,57.3 v1(55.7,57.17) ; v1(51.67,60.43) 51.67,60.25 50.91,59.49 46.7,59.49 46.5,59.69
  Bottom w0.14: v1(51.67,60.43) 51.67,60.25 51.3,59.88 51.3,59.12 53.12,57.3 55.57,57.3 v1(55.7,57.17)
MGT_TX1_P: length 64.5
  Top w0.14: v1(52.13,59.97) 51.95,59.97 51.08,59.09 47.47,59.09 47.4,59.02 46.66,59.02 J1.18 ; v1(55.7,57.83) 55.83,57.7 56.78,57.7 57.8,56.68 57.8,36.98 62.68,32.1 77.12,32.1 80.3,35.28 80.3,38.9 U1.F2
  Bottom w0.14: v1(52.13,59.97) 51.95,59.97 51.7,59.72 51.7,59.28 52.03,58.95 arc(52.16,58.9) 52.29,58.95 arc(52.42,59) 52.55,58.95 52.72,58.78 arc(52.77,58.65) 52.72,58.53 arc(52.66,58.4) 52.72,58.27 53.28,57.7 55.57,57.7 v1(55.7,57.83)